# KiCad board eeg_hardware_v1.kicad_pcb (continued)
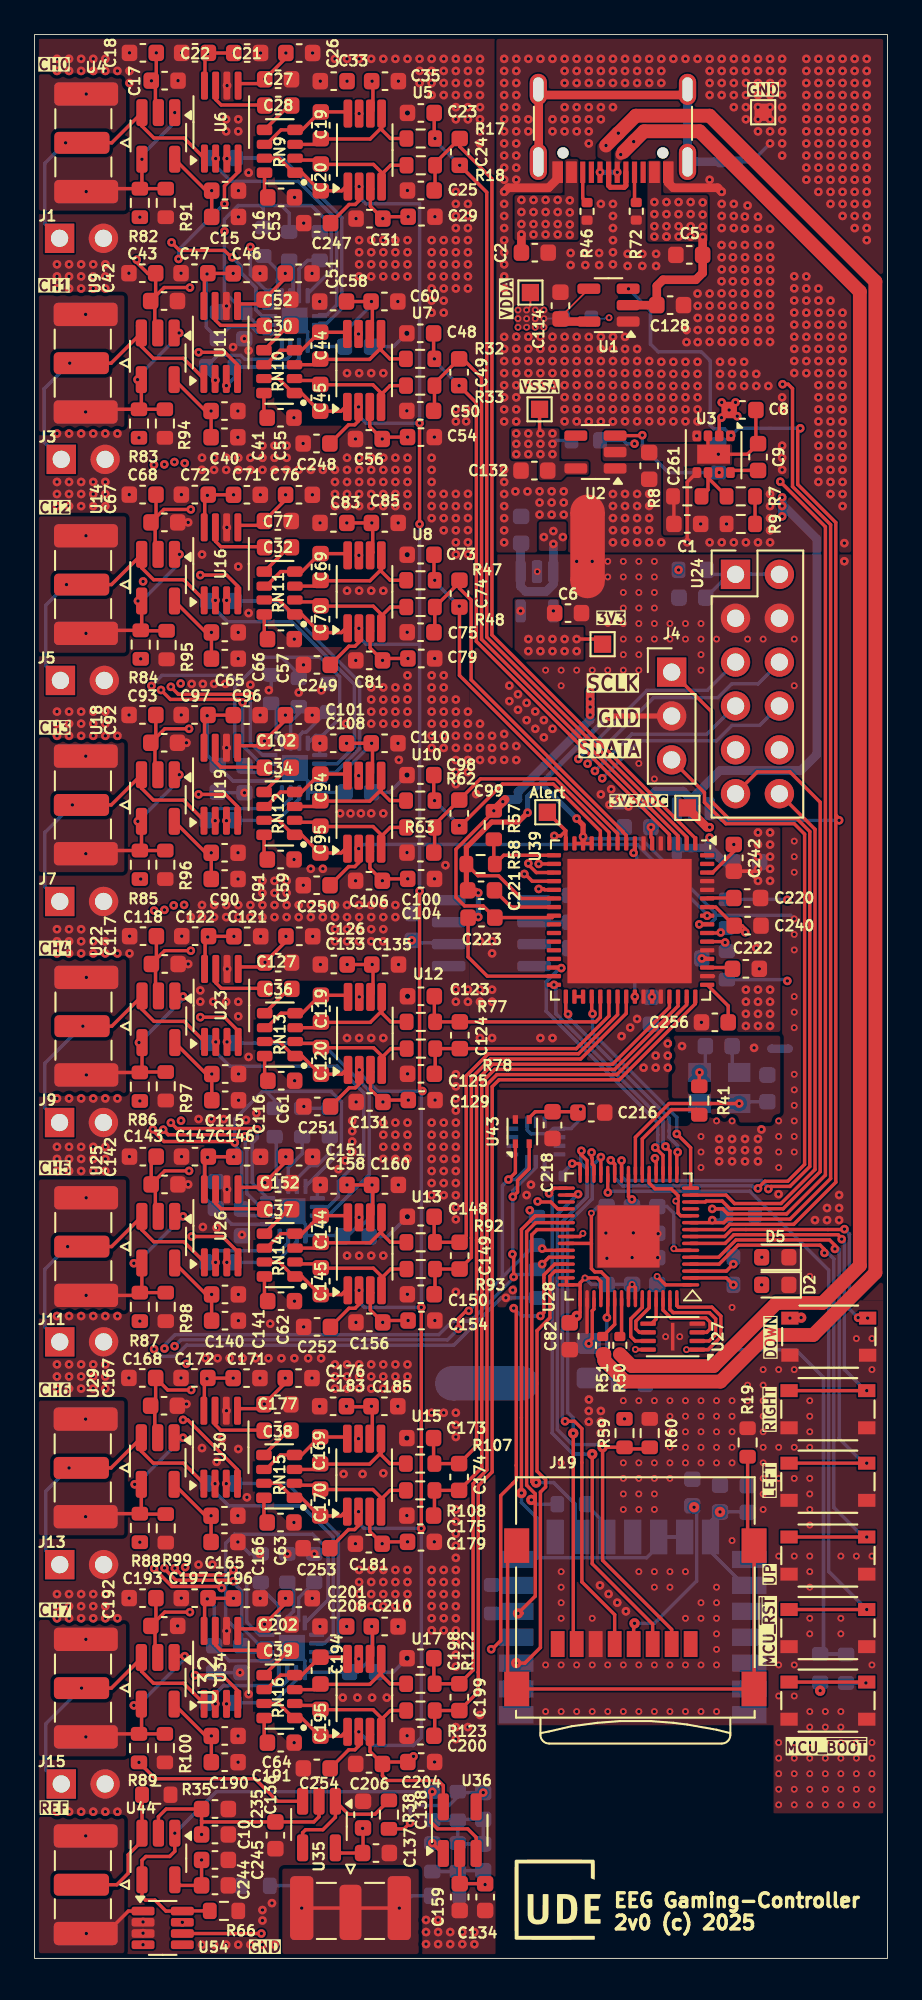
[diagram p0: board, top side]
## Routing (per net, layer and track width the routed paths; a pad name or vN(x,y) marks a point on that pad's centre or on a via; arc(x,y) is an arc through that point) (continued)
GNDD: length 58.1
  Top w0.2: U39.22 28.19,61.38 26.88,62.69 25.69,62.69 R58.2 ; v1(38.5,59.88) U39.56 ; U28.47 32,36.25 ; U39.31 26.22,56.88 25.11,57.99 C223.1 ; U39.15 U39.13
  Top w0.3: v1(25.7,60.3) 25.14,60.3 C223.1 ; J4.2 33.34,71.94 v1(33.3,71.9) ; R58.2 25.01,61.92 C221.2 25.55,61.85 v1(25.7,61.7) ; R58.2 25.11,63.27 ; R58.2 25.01,64.33 26.48,65.8 28.01,65.8 v1(28.56,66.34) ; v1(31.4,66) 31.77,65.63 U39.14
  Bottom w0.2: v1(31.77,64.95) 31.9,64.82 35.15,64.82 39.41,60.56 39.41,60.4 ; 39.41,60.4 43.79,60.4 v2(44,60.19) ; 39.41,60.4 39.41,60.19 39.14,59.92 38.55,59.92 v1(38.5,59.88)
  Bottom w0.3: v1(25.7,61.7) v1(25.7,60.3) ; v1(31.4,66) 29.55,67.85 29.55,68.25 ; v1(33.3,71.9) 33.2,71.9 29.55,68.25 ; 29.55,68.25 28.56,67.26 v1(28.56,66.34)
  vias: v1(28.5,44.2) v1(28.75,44.8) v1(32.11,32.36) v1(32.1,31.7) v1(32.1,31.08) v1(32.8,31.7) v1(32.8,31.08) v1(32.79,30.42) v1(32.75,21.6) v1(33.25,21.1) v1(33.75,20.6) v1(34.25,20.1) v1(39.65,47.45) v1(39.65,46.8) v1(39.65,46.15) v1(40.4,47.45) v1(40.4,46.8) v1(40.4,46.15) v1(41.15,47.45) v1(41.15,46.8) v1(41.15,46.15) v1(41.9,47.45) v1(41.9,46.8) v1(41.9,46.15) v1(42.1,48) v1(43.09,44.25) v1(45.2,42.75) v1(45.9,43.45) v1(45.9,42.75) v1(46.6,44.2) v1(46.6,43.45) v1(46.6,42.75) v1(46.9,80.9) v2(29.12,80.3) v2(29.6,74.59) v2(29.6,16.99) v2(29.6,14.29) v2(30.5,74.59) v2(30.5,73.69) v2(30.5,28.69) v2(30.5,22.39) v2(30.5,21.49) v2(30.5,20.59) v2(30.5,19.69) v2(30.5,16.99) v2(30.5,14.29) v2(31.4,80.89) v2(31.4,74.59) v2(31.4,16.99) v2(31.4,14.29) v2(32.3,80.89) v2(32.3,74.59) v2(32.3,19.69) v2(32.3,16.99) v2(32.3,14.29) v2(33.09,42) v2(33.2,80.89) v2(33.2,79.99) v2(33.2,77.29) v2(33.2,74.59) v2(33.15,40.54) v2(33.2,16.99) v2(33.2,14.29) v2(34.1,80.89) v2(34.1,79.99) v2(34.1,79.09) v2(34.1,78.19) v2(34.1,77.29) v2(34.1,76.39) v2(34.1,75.49) v2(34.1,74.59) v2(34.1,73.69) v2(34.1,32.29) v2(34.1,28.69) v2(34.1,27.79) v2(34.1,26.89) v2(34.1,25.99) v2(34.1,16.99) v2(34.1,14.29) v2(34.61,40.58) v2(34.68,42.01) v2(35,80.89) v2(35,79.99) v2(35,79.09) v2(35,78.19) v2(35,77.29) v2(35,76.39) v2(35,75.49) v2(35,74.59) v2(35,69.19) v2(35,32.29) v2(35,28.69) v2(35,27.79) v2(35,26.89) v2(35,25.99) v2(35,22.39) v2(35,16.99) v2(35,14.29) v2(35.9,80.89) v2(35.9,79.99) v2(35.9,79.09) v2(35.9,78.19) v2(35.9,77.29) v2(35.9,76.39) v2(35.9,68.29) v2(35.9,32.29) v2(35.9,28.69) v2(35.9,27.79) v2(35.9,26.89) v2(35.9,25.99) v2(35.9,22.39) v2(35.9,21.49) v2(35.9,16.99) v2(35.9,14.29) v2(36.12,41.96) v2(36.09,40.58) v2(36.55,36) v2(36.8,77.29) v2(36.8,76.39) v2(36.8,32.29) v2(36.8,31.39) v2(36.8,30.49) v2(36.8,29.59) v2(36.8,28.69) v2(36.8,27.79) v2(36.8,22.39) v2(36.8,21.49) v2(36.8,16.99) v2(36.8,14.29) v2(37.37,36) v2(37.7,77.29) v2(37.7,76.39) v2(37.7,32.29) v2(37.7,31.39) v2(37.7,30.49) v2(37.7,29.59) v2(37.7,28.69) v2(37.7,22.39) v2(37.7,19.69) v2(37.7,16.99) v2(37.7,14.29) v2(38.6,77.29) v2(38.6,76.39) v2(38.6,75.49) v2(38.6,74.59) v2(38.6,47.59) v2(38.6,46.69) v2(38.6,45.79) v2(38.6,32.29) v2(38.6,31.39) v2(38.6,30.49) v2(38.6,29.59) v2(38.6,28.69) v2(38.6,20.59) v2(38.6,19.69) v2(38.6,16.99) v2(38.6,14.29) v2(39.5,76.39) v2(39.5,48.49) v2(39.5,32.29) v2(39.5,31.39) v2(39.5,30.49) v2(39.5,29.59) v2(39.5,28.69) v2(39.5,21.49) v2(39.5,20.59) v2(39.5,19.69) v2(39.5,18.79) v2(39.5,17.89) v2(39.5,16.99) v2(39.5,14.29) v2(40.4,48.49) v2(40.4,37.69) v2(40.4,32.29) v2(40.4,31.39) v2(40.4,30.49) v2(40.4,29.59) v2(40.4,28.69) v2(40.4,24.19) v2(41.3,76.39) v2(41.3,33.19) v2(41.3,32.29) v2(42.2,76.39) v2(42.2,34.09) v2(42.2,33.19) v2(42.2,32.29) v2(42.2,31.39) v2(42.2,30.49) v2(42.2,29.59) v2(42.2,28.69) v2(42.2,27.79) v2(42.2,26.89) v2(42.2,25.99) v2(43.1,48.49) v2(43.1,47.59) v2(43.1,46.69) v2(43.1,45.79) v2(43.1,34.09) v2(43.1,29.59) v2(43.1,27.79) v2(43.1,23.29) v2(43.1,16.99) v2(43.1,15.19) v2(43.1,12.49) v2(43.1,11.59) v2(43.1,10.69) v2(43.1,9.79) v2(43.1,8.89) v2(44,76.39) v2(44,73.69) v2(44,64.69) v2(44,63.79) v2(44,62.89) v2(44,59.29) v2(44,58.39) v2(44,55.69) v2(44,54.79) v2(44,53.89) v2(44,51.19) v2(44,50.29) v2(44,49.39) v2(44,48.49) v2(44,47.59) v2(44,46.69) v2(44,34.09) v2(44,29.59) v2(44,27.79) v2(44,23.29) v2(44,16.99) v2(44,15.19) v2(44,12.49) v2(44,11.59) v2(44,10.69) v2(44,9.79) v2(44,8.89) v2(44.9,39.49) v2(44.9,32.29) v2(44.9,31.39) v2(44.9,30.49) v2(44.9,29.59) v2(44.9,27.79) v2(44.9,26.89) v2(44.9,25.99) v2(44.9,25.09) v2(44.9,23.29) v2(44.9,22.39) v2(44.9,21.49) v2(44.9,19.69) v2(44.9,18.79) v2(44.9,14.29) v2(44.9,13.39) v2(44.9,12.49) v2(44.9,11.59) v2(44.9,10.69) v2(44.9,9.79) v2(44.9,8.89) v2(45.8,14.29) v2(45.8,13.39) v2(45.8,12.49) v2(45.8,11.59) v2(45.8,10.69) v2(45.8,9.79) v2(45.8,8.89) v2(46.7,23.29) v2(46.7,19.69) v2(46.7,18.79) v2(46.7,14.29) v2(46.7,13.39) v2(46.7,12.49) v2(46.7,11.59) v2(46.7,10.69) v2(46.7,9.79) v2(46.7,8.89) v2(47.6,35.89) v2(47.6,23.29) v2(47.6,12.49) v2(47.6,11.59) v2(47.6,10.69) v2(47.6,9.79) v2(47.6,8.89) v2(48.5,35.89) v2(48.5,34.09) v2(48.5,23.29) v2(48.5,16.99) v2(48.5,12.49) v2(48.5,11.59) v2(48.5,10.69) v2(48.5,9.79) v2(48.5,8.89)
VDDA: length 147.7
  Top w0.1: U1.4 30.46,95.03 C114.1 ; v2(28.5,95.45) 28.72,95.67 TP8.1
  Top w0.2: v1(11.52,20.85) 10.06,20.85 C197.1 v1(10,20.82) 9.85,20.66 9.85,18.98 9.83,18.96 9.83,19.61 ; 9.83,70.75 9.83,70.1 9.84,70.12 9.84,71.8 v1(10,71.96) C97.1 10.06,71.99 C96.1 ; 9.86,57.94 9.86,57.29 9.88,57.31 9.88,58.99 v1(10.03,59.15) C122.1 10.09,59.18 v1(11.55,59.18) ; v1(11.5,33.6) 10.05,33.6 C172.1 v1(9.99,33.57) 9.83,33.41 9.83,31.73 9.81,31.71 9.81,32.36 ; 9.82,96.33 9.82,95.68 9.84,95.7 9.84,97.38 v1(9.99,97.53) C47.1 10.05,97.57 v1(11.51,97.57) ; 19.57,64.11 U10.3 19.43,63.12 v1(20.14,62.4) 20.25,62.51 v1(21.61,62.51) ; 8.1,14.7 9.92,12.88 v1(10.24,12.88) C190.1 ; C206.1 20.15,10.58 20.42,10.3 23.38,10.3 23.67,10 U36.5 ; C206.1 20.26,11.37 C204.1 v1(21.95,11.7) ; C206.1 19.43,11.98 U17.3 19.58,12.97 ; U9.5 9.91,89.6 v1(10.23,89.6) C40.1 ; 19.6,102.45 U5.3 19.45,101.46 v1(20.17,100.74) 20.28,100.85 v1(21.64,100.85) ; U35.5 17.72,6.1 C137.1 19.03,6.12 C138.1 ; C165.1 v1(10.22,25.63) 9.91,25.63 8.08,27.45 ; C65.1 v1(10.25,76.78) 9.93,76.78 U14.5 ; 9.84,83.51 9.84,82.86 9.86,82.88 9.86,84.56 v1(10.01,84.72) C72.1 10.07,84.75 v1(11.53,84.75) ; v1(21.61,24.12) 20.25,24.12 v1(20.14,24.01) 19.42,24.73 U15.3 19.56,25.72 ; 19.61,51.3 U12.3 19.46,50.31 v1(20.18,49.59) 20.29,49.7 v1(21.65,49.7) ; C90.1 v1(10.23,64.02) 9.92,64.02 U18.5 ; v1(21.61,88.09) 20.25,88.09 v1(20.14,87.98) 19.42,88.7 U7.3 19.56,89.69 ; v1(11.54,46.42) 10.08,46.42 C147.1 v1(10.02,46.38) 9.87,46.23 9.87,44.55 9.85,44.53 9.85,45.18 ; v1(11.54,110.33) 10.08,110.33 C22.1 v1(10.03,110.3) 9.87,110.14 9.87,108.46 9.85,108.44 9.85,109.09 ; v1(9.67,5.7) C244.1 8.45,4.22 U44.5 ; v1(21.63,75.27) 20.27,75.27 v1(20.16,75.16) 19.44,75.88 U8.3 19.58,76.87 ; U4.5 9.94,102.36 v1(10.26,102.36) C15.1 ; 19.59,38.54 U13.3 19.45,37.55 v1(20.17,36.83) 20.28,36.94 v1(21.64,36.94) ; C115.1 v1(10.27,51.21) 9.95,51.21 U22.5 ; U25.5 9.94,38.45 v1(10.26,38.45) C140.1
  Top w0.5: U1.5 30.61,94.78 C114.1
  Bottom w0.1: R5.1 v2(29.5,94.95)
  Bottom w0.2: v1(9.99,97.53) 9.94,97.49 9.94,94.46 C224.1 11.32,94.48 12.57,94.48 12.87,94.19 13.63,94.19 ; 14.02,68.18 11.5,68.18 C233.1 10,69.68 v1(10,71.96) ; 13.47,17.23 11.27,17.23 C226.1 10.4,20.42 v1(10,20.82) ; v1(21.85,58.95) C236.1 22.05,58.8 23.92,58.8 U45.2 ; v1(10.02,46.38) 9.82,46.18 9.82,44.1 C230.1 11.41,42.51 U41.9 13.5,42.51
  vias: v1(6.28,0.79) v1(18.8,106.82) v1(18.77,94.06) v1(18.79,81.24) v1(18.78,68.48) v1(18.81,55.67) v1(18.8,42.91) v1(18.77,30.09) v1(18.78,17.34) v1(19,7.53) v2(28,95.45) v2(28,94.95) v2(28,94.45) v2(28.5,94.95) v2(28.5,94.45) v2(29,95.45) v2(29,94.95) v2(29,94.45) v2(29.5,95.45) v2(29.5,94.45)
VSSA: length 159
  Top w0.2: 18.16,31.94 19.39,31.94 ; v1(18.11,57.55) C135.1 ; C92.1 7.55,71.2 v1(8.95,71.2) ; C92.1 7.03,70.68 C93.1 6.94,72.09 ; C92.1 6.97,70.15 6.97,68.71 U18.2 ; v1(9,96.75) 7.51,96.75 C42.1 ; 11.81,57.29 11.92,57.41 13.08,57.41 v1(13.35,57.68) 14.56,58.9 v1(14.56,59.18) ; v1(14.55,46.42) 14.55,46.13 v1(13.34,44.92) 13.07,44.65 11.91,44.65 11.8,44.53 ; 11.77,95.68 11.88,95.8 13.04,95.8 v1(13.31,96.07) 14.52,97.28 v1(14.52,97.57) ; 19.58,83.09 19.58,81.41 ; v1(14.53,71.99) 14.53,71.71 v1(13.31,70.49) 13.05,70.22 11.89,70.22 11.78,70.1 ; C192.1 7.03,19.54 C193.1 6.99,20.9 ; C192.1 7.54,20.05 v1(9,20.05) ; C192.1 6.98,19.01 6.98,17.57 7.15,17.4 ; 19.45,107.45 U5.6 ; C168.1 7.02,32.29 C167.1 6.97,31.76 6.97,30.32 U29.2 ; C168.1 7.01,33.61 ; C168.1 7.71,32.91 v1(9.08,32.91) ; 16.5,9.3 16.47,9.28 U35.2 16.47,8.2 16.17,7.9 C136.1 9.75,7.9 9.67,7.97 ; v1(14.56,110.33) 14.56,110.05 v1(13.34,108.83) 13.07,108.56 11.92,108.56 11.8,108.44 ; C117.1 7.01,57.34 7.01,55.9 U22.2 ; C117.1 7.54,58.35 v1(9.05,58.35) ; C117.1 7.06,57.87 C118.1 ; C60.1 C58.1 ; 9.67,7.97 v1(9.67,7.18) ; 9.67,7.97 C235.1 7.62,8.65 7.17,8.2 U44.2 ; U4.2 7,107.05 7,108.49 v1(6.77,108.72) C17.1 7.05,109.02 v1(7.05,110.34) ; C142.1 7.54,45.6 v1(8.95,45.6) ; C142.1 7,44.58 7,43.14 U25.2 ; C142.1 6.76,46.14 C143.1 7.04,46.42 ; v1(14.53,20.85) 14.53,20.57 v1(13.32,19.35) 13.05,19.08 11.9,19.08 11.78,18.96 ; C134.1 26.1,4.32 v1(26.1,4.28) 26.1,4.28 C134.1 ; C134.1 C159.1 U36.2 ; 19.58,19.19 19.58,17.51 ; 19.42,94.69 U7.6 ; C67.1 7.5,83.9 v1(9.05,83.9) ; C67.1 7.04,83.44 C68.1 ; C67.1 6.7,83.1 ; v1(14.52,33.6) 14.52,33.32 v1(13.31,32.1) 13.03,31.83 11.88,31.83 11.77,31.71 ; v1(14.54,84.75) 14.54,84.47 v1(13.33,83.25) 13.06,82.98 11.9,82.98 11.79,82.86 ; 19.43,69.11 U10.6 ; 19.61,57.52 19.61,55.84 ; v1(5.92,98.36) 5.92,98.21 6.57,97.56 7,97.56 C43.1 7.02,96.26 ; v1(18.06,31.97) 18.09,31.97 ; v1(18.08,70.36) C110.1 ; 19.45,43.54 U13.6 ; 19.59,44.76 19.59,43.07 ; 19.56,95.91 19.56,94.23 ; TP2.1 29.25,88.35 v1(29.3,88.3) ; 19.6,108.67 19.6,106.99 ; 19.46,56.3 U12.6 ; 19.61,81.42 U8.6 19.44,81.87 ; 19.57,70.33 19.57,68.65 ; v1(18.1,108.7) 18.12,108.7 ; 19.56,31.94 19.56,30.26 ; 6.8,83.1 6.99,82.91 6.99,81.47 U14.2 ; 19.42,30.72 U15.6 ; 19.43,17.97 U17.6 ; v1(18.08,19.22) 18.1,19.22 ; 6.97,95.73 6.97,94.29 U9.2 ; v1(18.1,44.79) C160.1 ; v1(18.09,83.12) C85.1
  Top w0.3: 19.36,82.97 C85.1 ; v1(19.56,57.55) 19.38,57.37 ; 19.33,31.82 C185.1 ; v1(19.53,70.36) 19.34,70.18 ; 19.36,82.94 v1(19.54,83.12) ; 19.37,44.61 v1(19.55,44.79) ; v1(19.52,95.94) 19.34,95.76 ; v1(19.53,19.22) 19.35,19.04 ; 19.33,31.79 v1(19.52,31.97) ; 19.38,57.4 C135.1 ; 19.37,44.63 C160.1 ; 19.37,108.55 C35.1 ; 19.35,19.07 C210.1 ; 19.37,108.52 v1(19.55,108.7) ; 19.34,70.21 C110.1 ; 19.34,95.78 C60.1
  Bottom w0.2: 17.83,41.86 15.73,41.86 U41.5 15.69,42.51 U41.17 ; v1(26.1,4.28) 26.05,4.28 26.03,4.3 ; 15.07,94.94 15.82,94.19 15.82,93.5 15.98,93.33 C229.2 ; C229.2 17.96,94.17 19.52,95.73 v1(19.52,95.94) ; C229.2 17.96,93.36 18.07,93.47 ; 14.91,17.98 15.66,17.23 15.66,16.55 15.69,16.58 C215.2 18.7,16.58 19.53,17.41 v1(19.53,19.22) ; v1(19.55,44.79) 19.55,43.02 18.98,42.46 18.76,42.46 18.1,41.8 C228.2 ; v1(19.53,70.36) 19.53,70.32 17.97,68.77 C232.2 15.86,67.52 U42.5 15.83,68.18 U42.17 ; R6.1 30.2,87.9 v1(30,87.7)
  vias: v1(8.56,2.09) v1(27.9,88.3) v1(27.9,87.7) v1(27.9,87.1) v1(28.6,88.3) v1(28.6,87.7) v1(28.6,87.1) v1(29.3,87.7) v1(29.3,87.1) v1(30,88.3) v1(30,87.1)
/ADC/ELEC_0N: length 50.4
  Top w0.2: 38.27,64.83 U39.1 38.27,64.86 26.49,76.63 26.49,103.05 24.63,104.91 C24.2 23.2,103.95 R18.2 23.2,102.42 C25.1
  Top w0.3: 23.15,102.46 23.2,102.51
/ADC/ELEC_0P: length 48.4
  Top w0.2: C23.2 23.15,105.43 v1(23.19,105.38) ; U39.2 37.77,64.93 26.19,76.51 26.19,102.26 v1(24.63,103.83)
  Top w0.3: 23.19,106.81 C23.2
  Bottom w0.2: v1(24.63,103.83) 23.19,105.26 v1(23.19,105.38)
/ADC/ELEC_1N: length 37.1
  Top w0.2: C50.1 23.16,89.66 R33.2 23.16,91.19 C49.2 24.8,92.62 25.89,91.53 25.89,76.39 37.27,65 U39.3
  Top w0.3: 23.11,89.7 23.16,89.75
/ADC/ELEC_1P: length 35.3
  Top w0.2: v1(24.59,91.07) 25.59,90.07 25.59,76.26 36.77,65.08 U39.4 ; C48.2 23.11,92.67 v1(23.16,92.62)
  Top w0.3: 23.16,94.06 C48.2
  Bottom w0.2: v1(23.16,92.62) 23.16,92.5 v1(24.59,91.07)
/ADC/ELEC_2N: length 22.9
  Top w0.2: U39.9 34.27,65.03 34.07,65.23 34.07,65.25 25.29,74.04 25.29,78.66 24.61,79.33 C74.2 24.61,79.68 R48.2 23.18,76.84 C75.1
  Top w0.3: 23.13,76.88 23.18,76.93
/ADC/ELEC_2P: length 21.2
  Top w0.2: U39.10 33.77,65.13 24.61,74.29 C74.1 24.61,78.29 v1(24.6,78.3) ; v1(23.18,79.8) 23.13,79.84 C73.2
  Top w0.3: 23.18,81.24 C73.2
  Bottom w0.2: v1(24.6,78.3) 23.18,79.72 v1(23.18,79.8)
/ADC/ELEC_3N: length 14.8
  Top w0.2: U39.11 33.27,65.2 30.17,68.3 25.83,68.3 C99.2 23.17,65.65 R63.2 23.17,64.08 C100.1
  Top w0.3: 23.12,64.12 23.17,64.17
/ADC/ELEC_3P: length 14.7
  Top w0.2: C98.2 23.12,67.09 v1(23.17,67.04) ; C99.1 v1(24.6,65.6) 24.7,65.6 27.1,68 30.05,68 32.77,65.28 U39.12
  Top w0.3: 23.17,68.48 C98.2
  Bottom w0.2: v1(24.6,65.6) 23.17,67.03 v1(23.17,67.04)
/ADC/ELEC_4N: length 54.2
  Top w0.2: R123.2 C199.2 25.7,15.44 25.7,16.57 25.7,27.36 26.5,28.16 26.5,41.22 26.5,41.22 26.5,50.48 26.9,50.87 33.87,50.87 38.27,55.28 U39.48 ; R123.2 23.18,14.47 ; R123.2 23.18,12.94 C200.1
  Top w0.3: 23.13,12.98 23.18,13.03
/ADC/ELEC_4P: length 52.3
  Top w0.2: C198.2 23.13,15.95 R122.2 C199.1 25.4,16.69 25.4,27.48 26.2,28.29 26.2,41.35 26.2,50.6 26.78,51.18 33.73,51.18 37.77,55.22 U39.47
  Top w0.3: 23.17,17.34 C198.2
/ADC/ELEC_5N: length 41
  Top w0.2: C175.1 23.16,25.69 R108.2 ; R108.2 C174.2 25.9,28.41 25.9,41.47 25.9,41.47 25.9,50.73 26.65,51.48 33.6,51.48 37.27,55.14 U39.46 ; R108.2 23.16,27.22
  Top w0.3: 23.11,25.73 23.16,25.78
/ADC/ELEC_5P: length 39.1
  Top w0.2: C173.2 23.11,28.7 R107.2 C174.1 25.6,29.66 25.6,41.59 25.6,41.6 25.6,50.85 26.53,51.78 33.48,51.78 36.77,55.07 U39.45
  Top w0.3: 23.16,30.09 C173.2
/ADC/ELEC_6N: length 25.9
  Top w0.2: C150.1 23.19,38.51 R93.2 ; U39.40 34.27,54.72 31.63,52.08 26.4,52.08 25.3,50.98 25.3,41.72 25.3,40.59 C149.2 R93.2 ; R93.2 23.19,40.04
  Top w0.3: 23.14,38.55 23.19,38.6
/ADC/ELEC_6P: length 24.1
  Top w0.2: C148.2 23.14,41.51 R92.2 C149.1 25,41.84 25,51.1 26.28,52.38 31.5,52.38 33.77,54.64 U39.39
  Top w0.3: 23.19,42.9 C148.2
/ADC/ELEC_7N: length 13.6
  Top w0.2: C125.1 23.21,51.27 R78.2 ; R78.2 C124.2 31.38,52.68 33.27,54.57 U39.38 ; R78.2 23.21,52.8
  Top w0.3: 23.16,51.31 23.21,51.36
/ADC/ELEC_7P: length 12.4
  Top w0.2: U39.37 32.77,54.5 32.5,54.23 C124.1 R77.2 23.16,54.28 C123.2
  Top w0.3: 23.2,55.67 C123.2
/EEG Frontend CH0/ELEC_FB: length 10
  Top w0.2: R82.2 3.16,102.48 v1(2.99,102.31) ; R82.2 R91.1 ; R82.2 6.22,102.59 v1(6.22,104.18) 6.31,104.18
  Bottom w0.2: v1(6.22,104.18) 6.22,104.42 8.12,106.32 v1(8.12,106.88)
  vias: v1(2.99,107.96)
/EEG Frontend CH0/Rg_PinN: length 15
  Bottom w0.2: 16.5,94.69 16.94,94.69 17.8,95.54 17.8,100.8 14.35,104.25 R1.1 11.64,104.22 v1(11.14,104.22)
/EEG Frontend CH0/Rg_PinP: length 15.6
  Bottom w0.2: v1(10.49,104.22) 10.06,104.22 R1.2 11.38,102.9 15.27,102.9 17.5,100.67 17.5,95.74 16.94,95.19 16.5,95.19
/EEG Frontend CH1/ELEC_FB: length 10.5
  Top w0.2: v1(8.38,94.12) U9.1 ; R83.2 6.19,89.84 U9.4 ; R83.2 3.11,89.7 v1(2.96,89.55) ; R83.2 R94.1
  Bottom w0.2: v1(8.38,94.12) 8.38,93.98 5.9,91.5 5.9,91.49 v1(5.97,91.42)
  vias: v1(2.96,95.2)
/EEG Frontend CH1/Rg_PinN: length 6.1
  Bottom w0.2: v1(11.11,91.07) 11.58,91.53 R2.1 14.85,92.15 15.32,92.62 15.32,93.5
/EEG Frontend CH1/Rg_PinP: length 6.9
  Bottom w0.2: U38.7 14.82,92.82 14.6,92.6 12.18,92.6 11.95,92.83 10.6,92.83 R2.2 9.92,91.93 v1(10.47,91.39)
/EEG Frontend CH2/ELEC_FB: length 10.9
  Top w0.2: R84.2 6.17,76.88 R95.1 ; R84.2 6.21,76.96 U14.4 ; R84.2 3.15,76.9 v1(2.98,76.73) ; v1(5.99,78.6) 6.3,78.6 ; v1(8.4,81.3) U14.1
  Bottom w0.2: v1(8.4,81.3) 8.35,81.25 8.35,80.75 6.2,78.6 v1(5.99,78.6)
  vias: v1(2.98,82.38)
/EEG Frontend CH2/Rg_PinN: length 16.4
  Bottom w0.2: v1(11.13,78.64) 11.16,78.6 R3.1 14.13,78.6 18.83,73.9 18.83,70.05 17.46,68.68 U42.3
/EEG Frontend CH2/Rg_PinP: length 17.1
  Bottom w0.2: v1(10.48,78.64) 10.44,78.6 R3.2 11.17,77.4 14.9,77.4 18.53,73.77 18.53,70.17 17.53,69.18 U42.2
/EEG Frontend CH3/ELEC_FB: length 10.6
  Top w0.2: R85.2 6.19,64.25 U18.4 v1(5.98,65.84) ; R85.2 7.55,64.15 ; R85.2 3.15,64.15 v1(2.97,63.97) ; v1(8.39,68.54) 8.33,68.6 8.16,68.6 U18.1
  Bottom w0.2: v1(5.98,65.84) 5.99,65.84 8.39,68.23 v1(8.39,68.54)
  vias: v1(2.97,69.62)
/EEG Frontend CH3/Rg_PinN: length 5.1
  Bottom w0.2: v1(11.11,65.88) 11.14,65.9 R4.1 14.09,65.9 15.33,67.14 U42.6
/EEG Frontend CH3/Rg_PinP: length 6.2
  Bottom w0.2: v1(10.47,65.88) 9.97,65.88 R4.2 10.63,66.58 14.23,66.58 14.83,67.18 U42.7
/EEG Frontend CH4/ELEC_FB: length 11
  Top w0.2: U22.1 8.16,55.7 v1(8.6,55.7) ; R86.2 6.23,51.43 U22.4 ; R86.2 3.15,51.3 v1(3,51.16) ; R86.2 6.12,51.33 R97.1 ; v1(6.05,53.03) 6.32,53.03
  Bottom w0.2: v1(6.05,53.03) 6.08,53.03 8.6,55.55 v1(8.6,55.7)
  vias: v1(3,56.81)
/EEG Frontend CH4/Rg_PinN: length 18.2
  Bottom w0.2: U41.3 17.01,43.01 19.38,45.38 19.38,50.25 16.63,53 R12.1 11.56,53.07 v1(11.15,53.07)
/EEG Frontend CH4/Rg_PinP: length 18.9
  Bottom w0.2: v1(10.5,53.07) 10.04,53.07 R12.2 11.31,51.66 17.54,51.66 19.08,50.12 19.08,46.48 17.6,45 17.6,44.1 17.01,43.51 U41.2
/EEG Frontend CH5/ELEC_FB: length 11.6
  Top w0.2: R87.2 6.22,38.67 U25.4 ; R87.2 6,38.55 5.84,38.39 v1(2.99,38.39) 3.05,38.46 ; R87.2 R98.1 ; v1(8.6,42.97) U25.1 ; 6.31,40.27 5.77,40.27 v1(5.75,40.25)
  Bottom w0.2: v1(5.75,40.25) 5.9,40.25 8.6,42.95 v1(8.6,42.97)
  vias: v1(2.99,44.04)
/EEG Frontend CH5/Rg_PinN: length 4.9
  Bottom w0.2: v1(11.14,40.3) 11.6,40.3 R13.1 13.98,40.3 15.19,41.51 U41.6
/EEG Frontend CH5/Rg_PinP: length 6.1
  Bottom w0.2: U41.7 14.69,41.44 14.23,40.98 10.63,40.98 R13.2 9.95,40.3 v1(10.49,40.3)
/EEG Frontend CH6/ELEC_FB: length 11.4
  Top w0.2: R88.2 3.13,25.75 v1(2.96,25.58) ; R88.2 6.12,25.73 R99.1 ; R88.2 6.19,25.84 U29.4 ; v1(8.6,30.15) 8.08,30.15 ; v1(5.8,27.45) 6.28,27.45
  Bottom w0.2: v1(8.6,30.15) 5.9,27.45 v1(5.8,27.45)
  vias: v1(2.96,31.23)
/EEG Frontend CH6/Rg_PinN: length 15.6
  Bottom w0.2: v1(11.11,27.49) 11.5,27.49 11.51,27.5 R14.1 14.63,27.5 17.6,24.52 17.6,18.1 17.23,17.73 16.34,17.73
/EEG Frontend CH6/Rg_PinP: length 16
  Bottom w0.2: v1(10.45,27.49) 9.96,27.49 R14.2 11.25,26.2 15.5,26.2 17.3,24.4 17.3,18.75 16.78,18.23 16.34,18.23
/EEG Frontend CH7/ELEC_FB: length 11.8
  Top w0.2: 6.2,14.7 6.2,13.15 R89.2 ; 8.1,17.4 8.2,17.5 v1(8.7,17.5) ; v1(5.75,14.65) 5.8,14.7 6.29,14.7 ; R89.2 R100.1 ; R89.2 3.15,13 v1(2.97,12.83)
  Bottom w0.2: v1(8.7,17.5) 8.7,17.35 6,14.65 v1(5.75,14.65)
  vias: v1(2.97,18.48)
/EEG Frontend CH7/Rg_PinN: length 5
  Bottom w0.2: v1(11.12,14.74) 11.18,14.8 R15.1 13.85,14.8 15.16,16.11 15.16,16.55
/EEG Frontend CH7/Rg_PinP: length 6.2
  Bottom w0.2: v1(10.47,14.74) 10.01,14.74 R15.2 10.95,15.8 14.35,15.8 14.66,16.11 14.66,16.55
/MCU/BUTTON_DWN: length 15.1
  Top w0.2: v1(46.91,42.23) 46.88,42.2 40.38,42.2 39.97,41.8 U28.8
  Bottom w0.2: v1(48.25,37.08) 47.72,37.08 47.2,37.6 47.2,41.93 v1(46.91,42.23)
  vias: v1(47.7,37.1) v4(43.75,37.08) v4(44.4,37.1)
/MCU/BUTTON_LFT: length 27
  Top w0.2: U28.5 39.62,40.6 40.63,41.6 46.05,41.6 46.35,41.29 v1(46.35,41.08) ; S4.2 v4(48.2,28.68)
  Bottom w0.2: v1(46.35,41.08) 46.56,41.08 46.6,41.05 46.6,30.1 48.03,28.68 v4(48.2,28.68)
/MCU/BUTTON_RGHT: length 23
  Top w0.2: U28.7 40,41.4 40.5,41.9 46.54,41.9 46.75,41.69 v1(46.75,41.65) ; S6.2 v4(48.2,32.88)
  Bottom w0.2: v1(46.75,41.65) 46.8,41.65 46.9,41.55 46.9,34.1 48.1,32.9 48.17,32.9 v4(48.2,32.88)
/MCU/BUTTON_UP: length 30.7
  Top w0.2: U28.4 39.65,40.2 40.75,41.3 45.5,41.3 45.75,41.05 v1(45.75,40.85) ; S3.3 v4(48.2,24.4)
  Bottom w0.2: v1(45.75,40.85) 45.95,40.85 46.3,40.5 46.3,26.1 48,24.4 v4(48.2,24.4)
/MCU/FPGA_GPIO0: length 36.1
  Top w0.2: U24.11 41.86,68.7 43.75,68.7 45.5,66.95 45.5,45.55 43.36,43.41 40.27,43.41 39.83,43.85 38.9,43.85 38.85,43.8 U28.13
/MCU/FPGA_GPIO1: length 30.8
  Top w0.2: U28.14 40.05,44.2 40.54,43.71 43.23,43.71 45.2,45.68 45.2,65.38 U24.12
/MCU/SPI_~{CS}_FPGA: length 42
  Top w0.2: v1(29.14,43.83) 29.1,43.8 29.9,43.8 30.3,43.4 U28.34
  In2.Cu w0.2: v1(29.14,43.83) 29.3,44 29.3,44.74 29.7,45.14 29.7,47.9 27.34,50.26 27.34,61.98 27.8,62.44 27.8,64.95 31.58,68.73 31.58,69.37 v1(31.5,69.45)
  Bottom w0.2: 40.6,75.08 U24.5 38.97,73.43 35.47,73.43 v1(31.5,69.45)
/MCU/WL_DATA: length 28.6
  Top w0.2: U28.36 29.02,42.6 28.5,42.08 28.5,27.4 29,26.9 29,20.98 v4(28,19.98) 28.22,19.98 28.25,20
  Bottom w0.2: 30.28,26.3 29.02,26.3 v4(28.78,26.55) ; R36.2 v4(28,19.98)
/MCU/WL_EN: length 32.1
  Top w0.2: U28.35 29,43 28.9,42.9 28.9,42.9 28.2,42.2 v4(28.2,26.95)
  Bottom w0.2: U21.12 U21.13 ; U21.12 36.15,23.9 35.45,23.2 29.1,23.2 29.1,25.5 28.2,26.4 v4(28.2,26.95) ; U21.12 36.15,24.9
/MCU/WL_SCLK: length 25
  Top w0.2: v4(27.9,17.1) 28.4,17.1 29.3,18 29.3,27 29.6,27.3 29.6,27.71 29.1,28.21 29.1,36.35 29.85,37.1 29.85,39.5 30.15,39.8 U28.43
/MCU/WL_~{CS}: length 22.1
  Top w0.2: 28.8,27.6 28.8,27.6 ; 28.8,27.6 28.8,41.9 29.1,42.2 U28.37 ; 28.8,27.6 29.01,27.6 v4(29.05,27.55)
  Bottom w0.2: v4(29.05,27.55) 30.07,27.55 31.3,26.32 31.3,24.75 U21.9 31.65,24.96
ADC_ALERT: length 27.6
  Top w0.2: TP1.1 30.77,65.3 ; 30.77,65.3 30.47,65 v1(30.1,65) ; 30.77,65.3 U39.16 ; v1(35.93,46.33) 35.93,46.17 36,46.1 U28.19
  In2.Cu w0.2: v1(35.93,46.33) 35.37,46.33 34.97,46.73 33.3,46.73 32.19,47.84 31.98,47.84 28.85,50.96 28.85,60.94 30.1,62.19 v1(30.1,65)
ADC_CLK: length 13.8
  Top w0.2: U28.17 36.8,46.76 v1(36.55,47.02)
  Bottom w0.2: v1(36.55,47.02) 36.4,47.16 36.4,48.5 30.2,54.7 30.2,56.26 v1(30.08,56.38)
ADC_CONV: length 13
  Top w0.2: U39.33 30.77,54.81 v1(30.9,54.68) ; v1(37.25,46.68) 37.2,46.63 U28.16
  Bottom w0.2: v1(30.9,54.68) 30.9,54.5 36.75,48.65 36.75,47.55 37.25,47.05 v1(37.25,46.68)
ADC_VCM: length 165.2
  Top w0.2: C252.1 18.22,37.65 18.57,37.65 18.8,37.87 v1(18.8,38.68) ; C254.1 18.2,12.08 18.56,12.08 18.78,12.31 v1(18.78,13.12) ; v1(22.4,37.7) v1(22.4,24.9) ; v1(22.46,50.22) 22.3,50.39 v1(22.3,61.8) ; v1(18.77,25.87) 18.77,25.06 18.54,24.83 18.19,24.83 C253.1 ; C248.1 18.19,88.8 18.54,88.8 18.77,89.03 v1(18.77,89.84) ; v1(18.79,77.02) 18.79,76.21 18.56,75.98 18.21,75.98 C249.1 ; v1(22.3,83.05) v1(22.3,88.9) ; v1(18.78,64.26) 18.78,63.45 18.55,63.22 18.19,63.22 C250.1 ; U12.2 18.81,50.64 18.58,50.41 18.23,50.41 C251.1 ; v1(18.8,102.6) 18.8,101.79 18.58,101.56 18.22,101.56 C247.1
  Bottom w0.2: 22.3,64.5 19.02,64.5 v1(18.78,64.26) ; 22.3,64.5 22.3,64.6 ; 22.3,64.5 22.5,64.5 ; 22.3,64.5 v1(22.3,61.8) ; 22.3,64.6 22.4,64.5 22.5,64.5 ; 22.3,64.6 22.3,76.1 ; v1(18.81,51.45) 18.81,51.29 19.88,50.22 v1(22.46,50.22) 22.4,50.16 v1(22.4,37.7) 19.1,37.7 18.8,38 v1(18.8,38.68) ; v1(18.78,13.12) 19.57,12.33 21.94,12.33 22.4,12.79 v1(22.4,24.9) 19.08,24.9 18.77,25.21 v1(18.77,25.87) ; v1(18.8,102.6) 18.8,102 19.2,101.6 22.3,101.6 v1(22.3,88.9) 19.2,88.9 18.77,89.33 v1(18.77,89.84) ; 22.5,64.5 34.9,64.5 38.96,60.44 v1(38.96,60.38) ; 22.3,76.1 19.2,76.1 18.79,76.51 v1(18.79,77.02) ; 22.3,76.1 v1(22.3,83.05)
ADC_~{DRDY}: length 15.7
  Top w0.2: v1(30.51,57.34) 30.48,57.38 U39.30 ; v1(35.95,46.95) 36.4,46.5 U28.18
  Bottom w0.2: v1(30.51,57.34) 30.41,57.34 29.63,56.56 29.63,54.84 36.1,48.37 36.1,47.1 v1(35.95,46.95)
ADC_~{RST}: length 13.8
  Top w0.2: v1(37.2,47.74) 38,46.94 U28.15 38.36,44.6 ; U39.36 32.27,54.75 v1(32.32,54.7)
  Bottom w0.2: v1(32.32,54.7) 32.32,53.58 37.2,48.7 v1(37.2,47.74)
ELEC_DRIVE: length 104.5
  Top w0.2: R85.1 v1(6.15,62.5) ; v1(6.05,11.35) 7,10.4 12.78,10.4 14.08,9.1 U35.3
  In1.Cu w0.2: v1(6.1,24.1) 6.1,22.09 6.5,21.69 6.5,11.6 6.3,11.6 v1(6.05,11.35) ; v1(6.1,36.9) 6.75,37.55 6.75,47.45 6.1,48.1 v1(6.1,49.65) ; v1(6.15,62.5) 6.65,63 6.65,72.25 6.15,72.75 v1(6.15,75.25) ; v1(6.05,88.05) 6.7,88.7 6.7,100.23 v1(6.1,100.83)
  In2.Cu w0.2: v1(6.15,75.25) 6.7,75.8 6.7,79.29 6.44,79.55 ; v1(6.15,62.5) 6.15,60.8 6.46,60.49 6.47,60.49 6.7,60.26 6.7,50.25 v1(6.1,49.65) ; 6.44,80.1 6.44,79.55 ; 6.44,80.1 6.7,80.36 6.7,85.6 6.05,86.25 v1(6.05,88.05) ; 6.44,80.1 6.29,79.95 v1(6.29,79.73) 6.29,79.7 6.44,79.55 ; v1(6.1,24.1) 6.75,24.75 6.75,34.81 6.1,35.46 v1(6.1,36.9)
  Bottom w0.2: 6.15,79.62 6.18,79.62 v1(6.29,79.73)
ELEC_REF: length 172.1
  Top w0.2: U19.4 11.77,66.69 11.05,67.4 v1(9.5,67.4) ; U36.3 25.58,7.01 25.09,7.5 23.34,7.5 22.96,7.88 22.96,9.58 v1(23.04,9.65) ; v1(9.5,93) 11.03,93 11.76,92.27 U11.4 11.76,90.94 11.8,90.9 ; U23.4 11.8,53.7 11.8,53.7 11,54.5 v1(9.6,54.5) ; v1(8.6,31.18) 8.87,31.18 11.75,28.3 U30.4 ; U6.4 11.79,103.42 11,102.63 v1(11,101.6) ; U34.4 11.77,15.5 10.87,16.4 v1(9.3,16.4) ; v1(9.6,80.1) 11.13,80.1 11.78,79.45 U16.4 ; v1(9.1,41.8) 10.88,41.8 11.79,40.89 U26.4 ; R66.2 8.57,2.75 U54.8 7.61,2.74 6.97,3.38 6.42,3.38 6.22,3.58 U44.4 6.22,5.68 6.45,5.9 7.83,5.9 8.12,6.2 v1(8.12,7.25)
  In1.Cu w0.2: 7.1,15.9 7.5,16.3 9.2,16.3 v1(9.3,16.4) ; 7.1,15.9 7.1,20.93 8.72,22.56 v1(8.72,22.65) ; 7.1,15.9 7.1,10.62 8.12,9.6 v1(8.12,7.25) ; 7.93,92.4 7.93,97.99 v1(8.34,98.41) ; 7.93,92.4 7.93,87.95 8.7,87.18 v1(8.7,86.58) ; 7.93,92.4 7.93,92.43 8.5,93 v1(9.5,93) ; 7.94,66.7 8.64,67.4 v1(9.5,67.4) ; 7.94,66.7 7.94,72.98 8.46,73.5 v1(8.46,73.82) ; 7.94,66.7 7.94,61.74 8.66,61.01 v1(8.66,61) ; 8,41.2 8,35.99 8.09,35.9 8.3,35.9 8.79,35.41 v1(8.79,34.43) ; 8,41.2 8,41.4 8.4,41.8 v1(9.1,41.8) ; 8,41.2 8,47.43 8.5,47.92 8.5,48.5 v1(8.48,48.51)
  In2.Cu w0.2: v1(8.6,31.18) 8.51,31.09 8,31.09 ; 7.95,79.5 7.95,74.34 v1(8.46,73.82) ; 7.95,79.5 8.55,80.1 v1(9.6,80.1) ; 7.95,79.5 7.95,85.62 8.7,86.37 v1(8.7,86.58) ; 8,54 8,48.94 8.44,48.51 v1(8.48,48.51) ; 8,54 8,60.13 8.66,60.79 v1(8.66,61) ; 8,54 8.5,54.5 v1(9.6,54.5) ; 8,31.09 8,23.37 v1(8.72,22.65) ; 8,31.09 8,33.77 8.67,34.43 v1(8.79,34.43)
  Bottom w0.2: v1(23.04,9.65) 10.53,9.65 v1(8.12,7.25) ; v1(8.34,98.41) 8.34,98.94 v1(11,101.6)
